# Allegro board PROC048A_BRD.brd (continued)
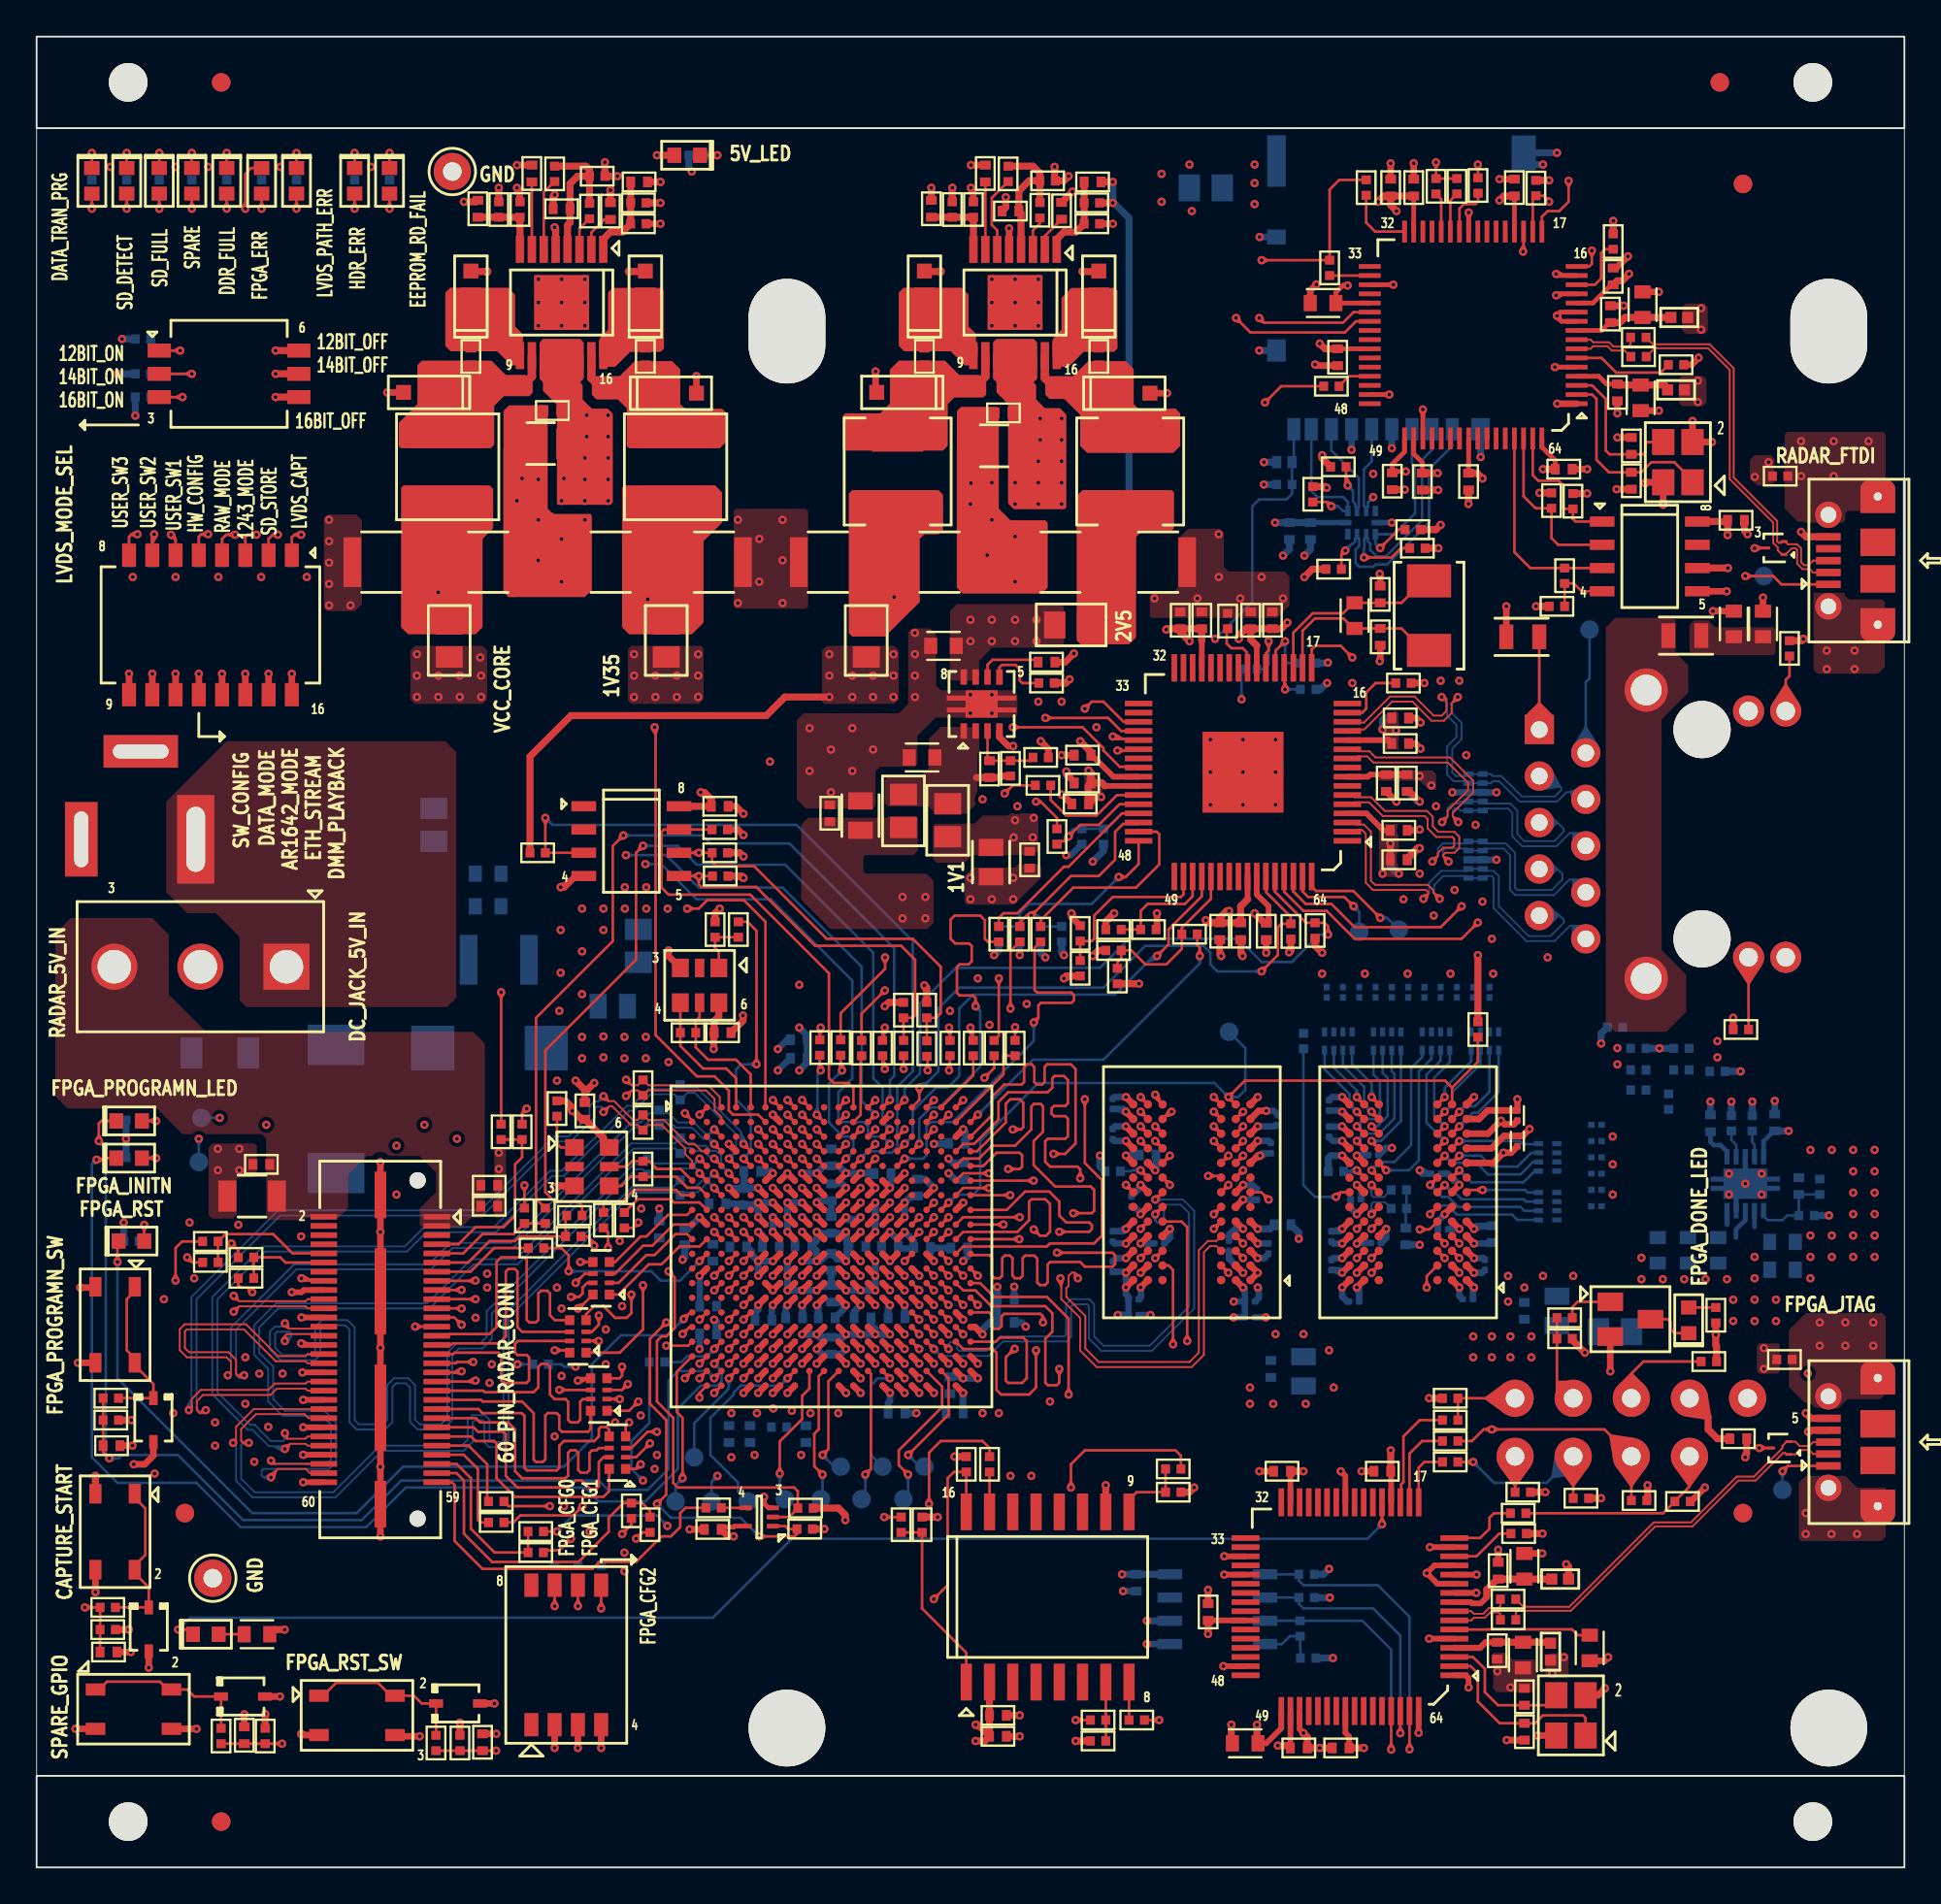
[diagram p0: board, top side]
## Routing (per net, layer and track width the routed paths; a pad name or vN(x,y) marks a point on that pad's centre or on a via; arc(x,y) is an arc through that point)
1V1: length 18.2
  TOP w0.305: U6.8 72.7,59.57 72.82,59.69 C59.1 ; C71.1 67.28,51.72 67.28,52.5 66.64,53.13 66.64,53.26 66.63,53.27 U6.58 ; 58.34,59.07 U6.42 ; 63.63,67.01 63.63,65.52
  TOP w0.381: C45.1 62.45,67.48 v1(62.96,66.98) ; C45.1 C46.1 63.63,67.01 ; C45.1 61.74,67.66 v1(61.69,67.61) ; C59.1 C60.1 ; v1(57.45,59.91) 57.58,59.78 C61.1 ; C61.1 58.19,59.23 58.34,59.07 ; C61.1 57.43,59.08 57.43,58.11 C106.1 57.83,58.47 v1(58.13,58.47) ; v1(66.52,52.12) 67.04,51.6 C71.1
  BOTTOM w0.381: v1(57.45,59.91) 57.58,59.78 C61.1
  vias: v1(53.43,57.2) v1(53.36,56.26) v1(54.4,56.26) v1(54.45,57.32) v1(75.53,59.61) v1(76.17,59.1)
1V35: length 23.5
  TOP w0.356: U12.M15 v1(47.4,32.31) ; v1(51.66,29.11) 51.26,29.51 U12.T20 ; U12.L15 v1(46.6,33.11) U12.L14 ; U12.H14 v1(46.6,36.31) ; U12.P17 v1(49,30.71) ; U12.H15 v1(47.4,36.31) ; U12.L17 v1(49,33.11) ; U12.T18 v1(49.8,29.11) ; U12.J15 v1(47.4,35.51)
  TOP w0.381: R69.1 v1(78.71,49.83)
  L05_PWR1 w0.381: v1(47.4,32.31) v1(46.6,33.11) 47.19,33.7 47.47,33.7 ; v1(46.6,36.31) v1(47.4,36.31)
  BOTTOM w0.254: U19.2 93.81,34.98
  BOTTOM w0.381: v1(49.8,37.91) 50.16,37.56 C143.2 ; R192.1 v1(88.63,44.74) R193.1 ; v1(52.47,31.71) C191.2 C204.1 52.05,29.76 51.66,29.37 v1(51.66,29.11) ; C149.2 47.76,36.67 v1(47.4,36.31) v1(47.4,35.51) ; C177.1 48.84,33.83 C176.2 48.81,33.3 v1(49,33.11) ; R211.1 v1(97.88,35.61)
  vias: v1(32.62,66.26) v1(32.62,65.1) v1(32.62,63.93) v1(33.79,65.1) v1(33.79,63.93) v1(34.96,65.1) v1(34.96,63.93) v1(36.13,66.26) v1(36.13,65.1) v1(36.13,63.93) v1(92.65,31.01) v1(92.65,29.84) v1(93.82,33.35) v1(93.82,32.18) v1(93.82,31.01) v1(93.82,29.84) v1(94.99,31.01) v1(94.99,29.84)
2V5: length 18.5
  TOP w0.305: U6.12 73.82,61.57 ; C65.1 73.54,56.65 72.62,57.57 U6.4
  TOP w0.356: U12.H7 v1(40.2,36.31) ; U12.J6 v1(39.4,35.51) ; U12.H6 v1(39.4,36.31)
  TOP w0.381: v1(56.41,64.89) 56.2,64.69 R43.1 ; U8.6 37.25,46.48 37,46.22 C72.1 36.98,45.57 v1(36.98,44.7) ; 73.82,61.57 C55.1 ; R53.1 37.05,52.12 v1(37.31,52.37) ; v1(73.93,55.93) C67.1
  BOTTOM w0.381: v1(34,35.99) C158.2 ; v1(39.4,36.31) v1(40.2,36.31) ; v1(39.4,36.31) 39.25,36.16 C153.2 38.64,36.23 38.62,36.24 C156.1 ; v1(39.4,36.31) v1(39.4,35.51) ; v1(73.5,62.15) 73.5,62.66 73.63,62.78 C54.1 ; C67.1 73.93,54.66 74.26,54.32 74.34,54.32 v1(74.39,54.28)
  vias: v1(30.96,52.37) v1(30.96,51.2) v1(32.12,53.54) v1(32.12,52.37) v1(33.29,53.54) v1(33.29,52.37) v1(34.46,52.37) v1(51,68.14) v1(51,66.98) v1(52.16,68.14) v1(52.16,66.98) v1(53.43,68.14) v1(53.43,66.98) v1(54.6,68.14) v1(54.6,66.98) v1(73.5,54.28) v1(74.24,62.1)
2V5_A: length 26.2
  TOP w0.381: C6.1 v1(58.77,92.06) ; R11.1 v1(58.77,90.92)
  BOTTOM w0.381: v1(58.77,92.06) v1(58.77,90.92) 58.83,90.92 59.66,90.09 59.66,70.91 58.41,69.67 v1(58.41,68.14)
3V3: length 176.5
  TOP w0.254: C33.1 75.67,76.74 75.2,77.21 U3.50 ; C8.1 U3.31 ; U3.20 C9.1 ; C34.1 78.2,76.7 78.2,76.71 U3.56 ; U13.5 38.12,18.64 38.07,18.59 37.51,18.59 C84.2 ; U3.42 C22.1
  TOP w0.305: U15.50 68.47,6.65 68.47,6.65 C98.1 ; U15.42 C87.1 ; C83.1 73.95,21.52 73.97,21.5 U15.20 ; U6.41 58.81,59.57 57.63,60.75 C56.1 ; U15.56 71.47,7.35 71.67,7.15 C216.1 ; 66.63,66.73 U6.23 ; 66.13,52.87 U6.57 ; U15.31 C82.1
  TOP w0.356: U12.P9 v1(41.8,30.71) ; U12.F12 v1(45,37.91) ; U12.M6 v1(39.4,32.31) ; U12.L6 v1(39.4,33.11) ; U12.F11 v1(44.2,37.91) ; U12.F9 v1(41.8,37.91) ; U12.P10 v1(42.6,30.71) ; U12.L7 v1(40.2,33.11) ; U12.F10 v1(42.6,37.91)
  TOP w0.381: C7.1 73.95,90.79 v1(74.26,90.47) ; C7.1 C8.1 ; C7.1 73.56,91.29 73.25,90.98 v1(73.25,90.98) ; R65.2 56.23,48.69 v1(56.1,48.56) ; R107.1 83.87,28.8 v1(84.55,28.11) ; C87.1 v1(63.98,12.75) ; C69.1 C70.1 65.75,52.5 66.13,52.87 ; C69.1 64.61,51.86 64.99,52.24 v1(65.12,52.24) ; C69.1 63.99,51.6 v1(63.85,51.74) ; C94.1 51.78,6.9 v1(51.28,6.9) ; C94.1 51.4,7.79 v1(51.28,7.79) ; C94.1 C92.1 U14.2 ; R154.1 12.99,12.99 v1(13.54,12.99) ; R40.1 96.39,67 v1(96.49,67.1) ; v1(92.34,72.77) C35.1 92.28,73.51 U4.8 ; v1(70.45,75.36) 70.39,75.42 R29.1 ; R144.1 43.78,19.63 44.16,19.24 v1(44.16,18.97) ; R160.1 v1(12.48,8.37) ; v1(68.4,49.98) 68.5,50.08 R57.1 ; v1(63.21,20.75) 62.96,20.49 R131.1 ; v1(38.6,54.05) 38.5,54.15 R52.1 ; R32.1 76.42,73.07 v1(76.68,73.33) ; R111.1 91.74,28.48 91.7,28.52 v1(91.7,29.09) R103.1 ; v1(69.23,70.48) 69.67,70.91 R34.1 ; C34.1 78.67,76.16 v1(78.96,75.87) ; R145.1 v1(82.24,18.23) ; R158.1 v1(56.74,6.9) ; v1(58.85,52.12) 58.39,51.66 R55.2 ; v1(38.07,18.08) 37.77,18.08 C84.2 ; v1(79.89,91.05) 79.89,91.06 80.12,91.29 C9.1 ; R70.1 v1(92.65,46.41) ; R115.2 v1(76.04,25.62) ; v1(36.26,58.72) 36.46,58.72 36.85,58.34 C62.1 U7.8 ; v1(70.2,77.14) 70.2,76.97 R28.1 ; R67.1 46.53,47.25 v1(46.32,47.04) ; C216.1 v1(72.48,6.52) ; C47.1 66.3,67.06 66.63,66.73 ; C47.1 66.03,67.66 65.65,67.28 v1(65.65,67.1) ; C47.1 67.4,67.66 67.41,67.64 67.47,67.64 C48.1 67.5,67.64 67.96,67.64 v1(68.3,67.99) ; R133.2 v1(85.44,20.16) ; R33.1 v1(76.55,72.06) ; R51.1 38.4,55.42 v1(38.6,55.22) ; R83.1 28.88,41.87 29.26,41.49 v1(29.26,41.32) 29.3,41.32 29.76,40.86 C73.1 30.96,39.85 30.96,39.64 U9.6 ; R125.1 v1(50.13,22.44) ; R147.1 v1(43.02,18.48) ; R153.1 v1(5.03,12.99) ; R64.1 57.98,50.08 v1(57.68,49.78) ; R162.1 v1(23.12,7.9) ; R20.1 v1(86.1,89.94) ; v1(48.48,48.18) 48.61,48.05 R68.1 ; v1(43.29,63.93) 40.86,63.93 39.85,62.91 29.18,62.91 26.94,60.67 R50.1 ; C33.1 v1(76.51,76.16) ; R149.1 v1(49.2,19.14) ; v1(70.07,83.23) 70.36,82.95 C22.1 ; v1(70.2,49.96) 69.82,50.34 R58.1 ; v1(56.99,61.51) 57.58,60.93 C56.1 ; R37.1 v1(81.88,68.88) ; v1(67.79,6.65) 68.34,6.65 C98.1 ; C83.1 v1(73.95,22.78) ; U4.6 v1(92.36,70.97) ; R117.1 v1(5.17,24.43) ; C82.1 v1(69.18,21.64) ; TP4.1 91.28,24.61 91.28,23.92 91.79,23.41 C80.2 ; v1(87.98,20.87) 87.98,20.09 R134.2 ; v1(83.53,16.56) 83.66,16.43 FB3.1 ; R31.1 v1(84.68,75.04) ; R132.1 v1(82.39,20.49) ; R7.1 v1(82.6,92.15) ; R30.1 v1(82.07,75.08)
  L06_PWR2 w0.889: 90.26,24.3 TP4.1 ; TP4.1 90.26,26.95 ; TP4.1 91.59,25.62 ; TP4.1 88.94,25.62
  BOTTOM w0.254: C131.1 94.87,40.23 94.31,39.67 U19.10
  BOTTOM w0.305: U16.10 C101.1
  BOTTOM w0.381: v1(41.8,30.71) 41.83,30.69 C202.2 ; v1(70.58,16.3) 70.28,16.01 R218.1 ; U20.8 C215.1 v1(59.28,16.01) ; R202.1 v1(92.55,41.83) ; R189.2 52.55,50.08 v1(52.29,49.83) ; C147.1 45.72,37.91 v1(45,37.91) v1(44.2,37.91) 43.79,38.32 C142.2 43.01,38.32 v1(42.6,37.91) v1(41.8,37.91) ; R186.2 55.97,49.96 v1(56.1,49.83) ; v1(42.6,30.71) 42.69,30.63 C201.1 ; R223.2 v1(4.67,83.49) ; v1(35.27,33.19) 35.4,33.32 C166.2 ; v1(57.68,54.94) 58.26,55.52 R184.1 ; U20.6 v1(60.63,13.47) ; v1(41.65,45.87) 42.08,45.43 C125.2 C127.2 42.08,43.97 v1(41.65,43.53) ; R221.1 v1(70.79,11.44) ; J5.4 v1(74.01,77.52) ; v1(70.47,64.69) 70.45,64.69 70.11,64.34 R183.1 ; v1(39.4,33.11) v1(40.2,33.11) ; v1(39.4,33.11) v1(39.4,32.31) ; v1(39.4,33.11) 39.04,33.48 39.04,33.64 C175.1 ; R93.1 v1(4.75,35.23) ; R222.2 v1(4.41,81.58) ; v1(70.51,65.81) 70.49,65.78 R181.1 ; v1(37,29.91) 37.13,29.79 C205.1 ; R219.1 v1(70.62,14.74) ; R201.1 v1(93.69,41.83) ; v1(5.39,79.29) R224.2 ; v1(56.99,61.51) 57.58,60.93 C56.1 ; C101.1 C102.1 v1(67.63,73.45) ; R89.1 v1(4.88,39.8) R87.1 ; R172.1 v1(67.02,75.54) ; C131.1 v1(95.68,40.23)
  vias: v1(4.03,92.88) v1(5.25,70.48) v1(7.59,92.88) v1(7.59,70.48) v1(9.37,92.88) v1(9.92,70.48) v1(12.26,70.48) v1(13.3,92.88) v1(14.75,70.48) v1(18.26,92.88) v1(32.1,17.19) v1(32.1,16.18) v1(43.29,66.26) v1(43.29,65.1) v1(44.54,65.1) v1(44.54,63.93) v1(45.68,65.1) v1(45.68,63.93) v1(46.8,66.26) v1(46.8,65.1) v1(46.8,63.93) v1(82.77,10.59) v1(83.41,11.48) v1(90.72,81.21) v1(90.72,80.04) v1(90.9,85.16) v1(90.9,83.99)
3V3_A: length 26.6
  TOP w0.381: C11.1 v1(48.86,91.74) ; R14.1 v1(50.01,91.74)
  L05_PWR1 w0.381: v1(48.86,91.74) 47.47,91.74 46.83,91.11 v1(46.83,69.39)
  L08_SIG2 w0.381: v1(50.01,91.74) v1(48.86,91.74)
5V: length 14.2
  TOP w0.381: LD10.2 v1(33.88,93.52) ; v1(32.35,87.17) 33.22,87.17 D2.2 ; D1.2 23.74,87.17 24.48,87.17 24.48,87.17 v1(24.61,87.17) ; v1(55.59,92.88) 55.59,92.16 R2.2 56.1,92.12 v1(56.36,92.38) ; v1(49.37,87.17) 49.24,87.17 49.24,87.17 48.51,87.17 D3.2 ; v1(31.72,92.38) R1.2 v1(31.03,93.14) ; D4.2 57.98,87.17 57.12,87.17 v1(57.12,87.17)
  TOP w0.457: 52.8,81.07 52.46,81.41 U2.11 ; 28.03,81.07 27.69,81.41 U1.11 ; 29.3,81.07 29.64,81.41 U1.14 ; U2.14 54.41,81.41 54.07,81.07
  vias: v1(28.67,74.65) v1(28.8,75.87) v1(29.94,76.98) v1(29.94,75.82) v1(29.94,74.65) v1(30.04,79.32) v1(30.04,78.15) v1(31.21,79.32) v1(31.21,78.15) v1(31.21,76.98) v1(31.21,75.82) v1(31.21,74.65) v1(53.43,75.64) v1(53.43,74.47) v1(54.7,76.81) v1(54.7,75.64) v1(54.7,74.47) v1(54.81,79.14) v1(54.81,77.97) v1(55.97,79.14) v1(55.97,77.97) v1(55.97,76.81) v1(55.97,75.64) v1(55.97,74.47)
GND: length 355.7
  TOP w0.152: v1(93.82,72.06) 93.84,72.07 D9.3 ; D11.3 v1(94.07,22.91)
  TOP w0.254: U3.11 83.22,84.95 v1(83.03,84.76) 83.03,84.7 83.28,84.45 U3.10 ; v1(82.98,87.04) 83.07,86.95 U3.15 ; U3.25 v1(78.2,90.39) ; U3.5 v1(82.91,81.95) ; U3.13 83.06,85.95 v1(82.98,85.87) ; U3.51 v1(75.7,79.63) ; v1(39.72,20.24) 39.72,19.89 39.97,19.64 U13.3 ; U3.47 v1(73.87,80.45) ; U3.35 v1(74.09,86.45)
  TOP w0.305: J3.18 14.59,31.54 14.47,31.42 v1(13.94,31.42) ; J3.60 v1(14.55,21.04) ; J3.42 v1(14.55,25.54) ; J3.36 v1(14.51,27.04) ; v1(69.18,7.34) 68.97,7.55 U15.51 ; U15.25 71.47,21.38 v1(71.22,21.64) ; U15.35 v1(64.85,16.99) ; J3.30 14.53,28.54 v1(14.45,28.62) ; U15.15 v1(76.09,17.49) ; J3.48 v1(14.55,24.04) ; U15.5 v1(76.04,12.49) ; U15.10 v1(78.62,14.99) ; J3.54 v1(14.55,22.54) ; J3.24 v1(14.46,30.04) ; U15.13 76.33,16.49 v1(75.91,16.07) 76.5,15.49 U15.11 ; v1(78.2,9.83) 78.2,10.33 78.04,10.49 U15.1 ; U15.47 v1(64.81,10.99)
  TOP w0.356: v1(20.92,7.16) 19.64,7.16 SW7.4 ; C69.2 64.61,49.86 v1(64.69,49.78) ; U12.V12 v1(45,27.51) ; U12.G14 v1(46.6,37.11) U12.F14 ; D5.2 v1(19.14,80.56) ; C86.2 v1(79.82,17.35) ; U11.N9 v1(71.3,42.08) ; v1(10.13,65.2) SW2.13 ; R18.2 v1(34.07,89.78) ; C59.2 73.71,58.77 v1(74.26,58.21) ; U11.N1 v1(78.5,42.08) ; U12.J7 v1(40.2,35.51) ; U12.J2 v1(36.2,35.51) ; D8.2 v1(61.73,80.52) ; U12.L12 v1(45,33.11) ; U10.L9 v1(59.49,40.48) ; U10.A8 v1(60.29,31.68) ; U10.N1 v1(66.69,42.08) ; D10.2 6.38,22.49 5.9,22.02 v1(5.3,22.02) ; U12.L11 v1(44.2,33.11) ; v1(75.58,61.11) 75.3,61.39 C55.2 ; U3.1 v1(83.04,79.95) ; U12.G15 v1(47.4,37.11) ; U12.V13 v1(45.8,27.51) ; U11.D1 v1(78.5,34.08) ; C22.2 69.88,82.03 v1(69.82,82.09) ; D7.2 36.03,81.45 v1(36.04,81.45) ; U12.F13 v1(45.8,37.11) U12.G13 ; U12.P13 v1(45.8,30.71) ; v1(13.94,65.2) SW2.16 ; C3.2 v1(51.02,92.98) ; U12.R19 v1(50.6,29.91) ; U12.J12 v1(45,35.51) ; D13.2 v1(13.29,9.34) ; Q1.2 v1(85.94,27.1) ; U12.G17 v1(49,37.11) ; U12.P11 v1(44.2,30.71) ; U12.V5 v1(38.6,27.51) ; C83.2 v1(72.36,21.64) ; U11.B8 v1(72.1,32.48) ; C29.2 v1(86.33,78.1) ; U12.V14 v1(46.6,27.51) ; R59.1 56.51,51.92 v1(56.51,52.12) ; U12.K7 v1(40.2,34.71) ; R46.2 55.25,61.09 v1(54.83,61.51) ; v1(5.05,65.2) SW2.9 ; U10.L1 v1(66.69,40.48) ; v1(86.9,88) 86.27,87.36 C14.2 ; U12.K10 v1(42.6,34.71) ; R19.2 v1(58.77,89.78) ; U12.P7 v1(40.2,30.71) ; U11.F2 v1(76.9,35.68) ; v1(61.18,52.12) 61.18,51.27 R56.1 ; U4.5 v1(92.3,69.7) ; U11.D9 v1(71.3,34.08) ; R15.2 51.15,90.99 51.15,91.61 v1(51.02,91.74) ; U11.J1 79.55,38.48 v1(80.11,39.04) 80.51,39.04 C75.1 ; v1(18.77,38.52) J3.61 v1(18.77,34.71) J3.62 v1(18.77,28.38) J3.63 v1(18.77,21.88) J3.64 v1(18.77,18.07) ; U11.D8 v1(72.1,34.08) ; C1.2 v1(26.23,92.98) ; U10.N9 v1(59.49,42.08) ; v1(81.97,7.2) 82.1,7.2 82.1,7.2 Y3.4 ; U7.4 29.43,54.15 28.82,53.54 v1(28.62,53.54) ; C49.1 v1(91.54,68.62) ; U12.W19 v1(50.6,26.71) ; U12.W6 v1(39.4,26.71) ; C50.1 v1(94.28,69.36) ; C74.1 80.67,40.59 80.17,40.59 v1(79.97,40.79) 79.26,40.08 U11.L1 ; C96.1 v1(25.1,7.3) ; R13.2 26.38,90.99 26.38,91.59 v1(26.23,91.74) ; C30.2 v1(84.68,76.37) ; U12.N6 v1(40.2,31.51) U12.N7 ; U10.D9 v1(59.49,34.08) ; U12.B14 v1(46.6,41.11) ; v1(75.58,62.53) 75.33,62.78 C54.2 ; U10.B8 v1(60.29,32.48) ; U12.M14 v1(46.6,32.31) ; SW6.3 v1(2.13,7.57) ; v1(90.76,82.46) 90.38,82.08 R25.1 ; C89.1 v1(5.14,11.76) ; U12.V6 v1(39.4,27.51) ; U12.W16 v1(48.2,26.71) ; SW4.4 v1(2.25,27.56) ; R135.2 90.34,19.99 v1(91.1,20.75) ; U12.F8 v1(41,37.91) U12.F7 ; v1(12.67,65.2) SW2.15 ; C35.2 93.26,72.99 v1(93.44,72.82) ; U12.N14 v1(46.6,31.51) ; v1(73.35,70.66) 73.37,70.63 C44.2 ; U12.Y14 v1(46.6,25.91) ; U12.U7 v1(40.2,28.31) ; C65.2 75.49,56.65 v1(75.53,56.69) ; C85.2 v1(82.22,17.15) ; C87.2 v1(63.98,15.16) ; C24.2 v1(88.59,79.57) ; U12.L9 v1(41.8,33.11) ; C92.2 v1(53.69,8.3) ; C9.2 v1(79.89,92.21) ; U12.M9 v1(41.8,32.31) ; v1(11.4,65.2) SW2.14 ; v1(85.82,11.48) 85.63,11.28 R155.2 ; U12.B7 v1(40.2,41.11) ; U11.A8 v1(72.1,31.68) ; v1(53.33,61.25) 53.07,61.25 52.58,61.73 U5.4 ; U12.G12 v1(45,37.11) ; U12.V8 v1(41,27.51) ; C7.2 v1(73.95,93.07) ; U10.A1 66.69,32.48 ; 66.69,32.48 U10.B1 ; 66.69,32.48 v1(66.69,32.48) ; U12.V16 v1(48.2,27.51) ; C61.2 56.66,59.31 56.23,59.74 v1(56.23,59.86) ; U12.G7 v1(40.2,37.11) ; U12.P8 v1(41,30.71) ; U12.Y8 v1(41,25.91) ; C53.2 56.18,65.83 v1(56.65,66.3) ; U12.Y19 v1(50.6,25.91) ; U12.M16 v1(48.2,32.31) ; v1(93.31,22.4) 93.31,22.53 93.39,22.6 C80.1 ; v1(91.49,77.85) Y1.2 v1(90.43,79) ; C17.2 v1(86.67,85.3) ; U12.M11 v1(44.2,32.31) ; U12.V15 v1(47.4,27.51) ; U12.Y6 v1(39.4,25.91) ; U10.D1 v1(66.69,34.08) ; R44.2 v1(75.79,64.69) ; U12.Y7 v1(40.2,25.91) ; U12.U10 v1(42.6,28.31) ; U12.V7 v1(40.2,27.51) ; U12.K12 v1(45,34.71) ; C71.2 v1(67.15,49.96) ; C70.2 65.75,49.88 v1(65.86,49.78) ; SW5.4 v1(3.21,15.03) ; U12.Y15 v1(47.4,25.91) ; SW6.4 v1(8.73,7.57) ; U11.B2 v1(77.7,32.48) ; D14.2 v1(25,8.95) ; v1(85.65,9.78) 85.27,9.4 Y3.2 ; U11.J9 v1(71.3,38.88) ; U10.F2 v1(65.89,36.48) ; SW4.3 3.17,31.67 v1(2.38,31.67) ; U12.G4 v1(37.8,37.11) ; U12.L10 v1(42.6,33.11) ; U12.G6 v1(39.4,37.11) ; U12.K9 v1(41.8,34.71) ; U12.G11 v1(44.2,37.11) ; U12.U13 v1(45.8,28.31) ; U10.C9 v1(59.49,33.28) ; U12.Y17 v1(49,25.91) ; v1(75.53,58.21) 74.98,58.77 C60.2 ; v1(45.81,81.71) 45.81,80.63 D6.2 ; U12.V20 v1(51.4,27.51) ; C94.2 v1(53.69,7.16) ; U12.J14 v1(46.6,35.51) ; U12.U11 v1(44.2,28.31) ; U12.J10 v1(42.6,35.51) ; C82.2 v1(66.77,21.64) ; U12.M12 v1(45,32.31) ; C51.2 73.37,65.91 v1(73.35,65.88) ; U12.V19 v1(50.6,27.51) ; U12.G9 v1(41.8,37.11) ; U12.Y12 v1(45,25.91) ; C8.2 v1(75.2,93.09) ; U12.M10 v1(42.6,32.31) ; U12.H19 v1(50.6,36.31) ; U12.N15 v1(47.4,31.51) ; U12.M2 v1(36.2,32.31) ; v1(87.83,75.61) 87.85,75.61 87.89,75.65 Y1.4 v1(88.83,74.43) ; U12.W7 v1(40.2,26.71) ; v1(38.6,56.38) 38.3,56.69 R49.2 ; v1(14.45,7.29) 14.5,7.23 SW7.3 ; U10.D8 v1(60.29,34.08) ; U10.J1 66.69,38.88 v1(66.81,38.88) ; U12.W15 v1(47.4,26.71) ; U8.3 34.51,49.77 v1(34.51,50.08) ; U12.W12 v1(45,26.71) ; U12.U14 v1(46.6,28.31) ; U12.U9 v1(41.8,28.31) ; R42.1 v1(80.26,68.88) ; U10.F8 v1(60.29,35.68) ; U11.C9 v1(71.3,33.28) ; U12.G10 v1(42.6,37.11) ; U12.J9 v1(41.8,35.51) ; C84.1 v1(35.65,18.46) ; U12.W20 v1(51.4,26.71) ; U12.P14 v1(46.6,30.71) ; U10.B2 v1(65.89,32.48) ; S1.3 v1(29.56,6.52) ; U12.K11 v1(44.2,34.71) ; U12.U12 v1(45,28.31) ; U2.5 v1(53.11,89.53) ; C31.2 v1(86.28,75.28) ; U12.V9 v1(41.8,27.51) ; U12.J11 v1(44.2,35.51) ; C95.1 v1(11.34,8.36) ; C62.2 38.19,57.96 v1(38.6,57.55) ; U10.J9 v1(59.49,38.88) ; v1(6.32,65.2) SW2.10 ; U12.K15 v1(47.4,34.71) ; C81.1 v1(5.23,23.03) ; D12.2 v1(6.12,10.91) ; U12.U8 v1(41,28.31) ; U12.M7 v1(40.2,32.31) ; v1(8.86,65.2) SW2.12 ; U12.K6 v1(39.4,34.71) ; U12.G8 v1(41,37.11) ; C56.2 v1(55.97,60.75) ; U12.P12 v1(45,30.71) ; v1(69.89,86.46) 69.55,86.13 C15.2 ; S1.4 v1(30.83,6.52) ; U12.K14 v1(46.6,34.71) ; U11.L9 v1(71.3,40.48) ; U11.A1 v1(78.5,31.68) ; S1.2 v1(28.29,6.52) ; C23.2 v1(86.33,79.42) ; U12.C19 v1(50.6,40.31) ; C16.2 v1(88.59,86.06) ; U12.Y16 v1(48.2,25.91) ; U12.Y11 v1(44.2,25.91) ; U11.B1 v1(78.5,32.48) ; C93.2 v1(80.28,6.95) ; U12.Y5 v1(38.6,25.91) ; U12.D4 v1(37.8,39.51) ; U11.F8 v1(72.1,35.68) ; v1(7.59,65.2) SW2.11
  TOP w0.381: SW1.4 v1(13.05,80.31) ; v1(30.45,42.85) 30.07,42.46 29.94,42.46 ; C106.2 56.02,58.6 v1(55.97,58.6) ; v1(78.19,74.48) 78.2,74.48 C34.2 ; v1(38.58,46.53) 38.58,46.25 C72.2 ; v1(96.74,23.8) 96.83,23.88 J4.4 ; SW1.6 v1(13.05,82.85) ; C97.2 65.25,6.84 v1(65.25,7.79) ; U9.3 28.51,37.22 28.42,37.13 v1(28.29,37.13) ; U1.5 28.34,89.53 v1(28.29,89.58) ; C216.2 v1(70.07,6.52) C98.2 69.39,7.13 v1(69.18,7.34) ; J1.5 96.63,72.68 v1(96.36,72.94) ; C12.2 v1(31.34,91.61) ; 29.94,42.46 v1(29.43,42.97) ; 29.94,42.46 C73.2 ; v1(56.56,91.53) C13.2 ; v1(28.29,91.36) 28.21,91.28 C2.2 ; SW5.3 v1(3.21,21.38) ; v1(52.93,91.23) 52.93,90.68 C4.2 ; U14.10 v1(58.39,20.87) ; v1(96.61,24.81) 96.9,24.53 J4.5 ; C32.2 v1(74.71,75.26) ; SW1.5 v1(13.05,81.58) ; C33.2 v1(76.54,75.24) ; C67.2 74.85,55.12 75.41,55.67 v1(75.53,55.67) ; R66.1 v1(60.2,48.27)
  L02_GND1 w0.381: 24.48,30.4 24.35,30.4 v1(23.97,30.02)
  BOTTOM w0.279: U19.4 92.81,36.84 v1(93.31,37.34) ; U19.8 v1(93.31,37.34) ; v1(93.31,37.34) 93.31,36.92
  BOTTOM w0.305: U16.5 v1(74.01,73.45)
  BOTTOM w0.356: v1(46.6,25.91) 46.6,25.47 46.5,25.37 C209.1 ; C188.1 43.45,30.83 44.09,30.83 v1(44.2,30.71) 44.06,30.58 44.06,30.49 44.03,30.46 44.03,30.45 C201.2 ; v1(78.5,34.08) 79.42,34.08 C162.1 ; C166.1 35.61,34.92 v1(36.2,35.51) ; v1(44.2,37.11) 43.98,37.34 C151.1 ; C191.1 v1(53.39,31.72) ; C146.1 75.66,37.89 75.53,38.02 v1(75.53,38.08) ; C170.1 65.12,33.24 v1(65.89,32.48) ; C143.1 50.04,38.48 v1(49.8,38.71) ; v1(79.72,58.72) U17.3 U17.8 v1(77.31,58.72) ; C189.2 78.44,31.62 v1(78.5,31.68) ; R185.1 56.48,55.29 v1(56.23,55.29) ; v1(45,30.71) 44.77,30.49 44.77,30.48 44.64,30.35 C200.1 ; C185.1 70.8,33.28 v1(71.3,33.28) ; C130.2 67.66,40.53 67.6,40.48 v1(66.69,40.48) ; J5.6 v1(71.81,77.43) ; C165.2 58.88,34.08 v1(59.49,34.08) ; v1(60.29,35.68) 60.29,35.76 59.96,36.09 C155.2 ; C129.2 70.76,42.08 v1(71.3,42.08) ; C178.2 66.69,34.08 v1(66.69,34.08) ; C169.1 60.83,34.08 60.82,34.08 v1(60.29,34.08) ; v1(72.1,34.08) 72.13,34.11 C168.1 ; C154.2 71.76,36.01 v1(72.1,35.68) ; v1(59.49,40.48) 58.88,40.48 58.77,40.37 C135.2 ; v1(36.2,32.31) 36.21,32.31 C194.1 ; v1(42.6,33.11) 42.59,33.12 42.59,33.7 C171.1 42.59,34.21 42.59,34.7 v1(42.6,34.71) 42.68,34.64 C160.2 44.13,34.64 v1(44.2,34.71) 44.24,34.68 44.24,34.04 C173.1 44.24,33.79 44.24,33.15 v1(44.2,33.11) 44.1,33.22 43.71,33.22 C183.2 43.22,33.53 42.8,33.11 v1(42.6,33.11) ; v1(42.6,33.11) v1(41.8,33.11) ; v1(50.6,33.11) 50.85,33.36 C177.2 ; C205.2 36.2,29.12 v1(36.2,28.31) ; U18.8 U18.3 v1(79.72,55.04) ; v1(54.02,29.54) 53.79,29.76 C204.2 ; v1(41,30.71) 40.91,30.62 C202.1 ; v1(47.4,34.71) 47.89,34.22 C176.1 47.84,33.8 47.18,33.8 47.07,33.91 C172.2 47.06,34.25 46.83,34.48 46.83,34.49 v1(46.6,34.71) ; v1(44.2,35.51) 44.35,35.37 44.85,35.37 v1(45,35.51) ; v1(75.53,58.21) 75.4,58.21 C60.2 ; v1(59.49,42.08) 58.86,42.08 C128.1 ; v1(72.1,31.68) 72.22,31.55 C192.1 ; v1(56.23,59.86) 56.23,59.66 C61.2 ; C203.2 40.15,30.67 v1(40.2,30.71) ; U20.5 v1(60.63,12.2) ; C131.2 v1(94.92,41.87) ; C193.2 66.75,31.11 66.75,31.62 v1(66.69,31.68) ; C137.1 50.72,40.2 v1(50.6,40.31) ; C197.2 v1(60.83,30.17) ; C134.1 71.28,40.46 v1(71.3,40.48) ; C132.1 v1(91.41,41.83) ; C198.2 v1(67.13,30.04) ; v1(44.2,28.31) 43.92,28.03 C206.1 42.88,28.03 v1(42.6,28.31) ; v1(40.48,43.53) 41.14,44.19 C127.1 ; v1(60.29,31.68) 60.31,31.65 60.31,31.15 C190.2 ; C215.2 v1(59.33,15.09) ; v1(59.49,33.28) 58.95,33.28 C186.2 ; C138.1 66.95,39.01 v1(66.81,38.88) ; C54.2 75.33,62.78 v1(75.58,62.53) ; v1(46.6,37.11) 46.66,37.17 C147.2 ; v1(65.89,36.48) 65.9,36.47 C152.2 ; v1(40.48,44.7) 40.99,45.21 C125.1 ; v1(46.6,30.71) 46.5,30.61 C199.2 ; C184.1 78.93,32.48 v1(78.5,32.48) ; C161.1 76.52,35.3 v1(76.9,35.68) ; v1(59.49,38.88) 59.52,38.91 C140.1 ; v1(74.01,39.3) 73.69,39.3 73.3,38.91 C139.2 ; C111.2 v1(67.15,49.96) ; J5.12 v1(66.79,89.05) ; C56.2 v1(55.97,60.75) ; v1(71.3,34.08) 70.81,34.08 C164.1
  BOTTOM w0.381: C149.1 48.52,37.59 v1(49,37.11) ; C159.2 68.93,34.67 v1(68.93,34.34) ; C144.2 38.64,38 C153.1 ; v1(39.4,34.71) 39.64,34.48 C174.2 ; R196.2 v1(93.06,43.48) ; R188.1 v1(53.69,49.83) ; R205.2 70.54,38.74 70.68,38.88 v1(71.3,38.88) ; C214.1 50.59,25.91 v1(50.6,25.91) ; v1(58.06,38.88) 58.06,38.28 58.32,38.03 58.34,38.03 R206.2 ; v1(35.78,92.63) 35.62,92.8 R21.2 ; v1(51.4,26.71) v1(50.6,26.71) 50.47,26.71 50.39,26.8 C213.2 ; C153.1 37.83,37.08 v1(37.8,37.11) ; C153.1 38.67,37.11 v1(39.4,37.11) ; C163.2 v1(75.53,34) ; C102.2 68.42,72.01 v1(68.07,71.65) ; v1(69.23,71.65) 69.56,71.98 C101.2 ; R187.1 54.83,49.96 v1(55.09,49.7) ; v1(40.2,34.71) v1(40.2,35.51) ; v1(85.44,45) 85.44,45.55 R190.2 ; C67.2 75.48,55.67 v1(75.53,55.67) ; D15.2 v1(67.02,76.75)
  vias: v1(6.44,21.51) v1(6.95,31.03) v1(7.46,24.81) v1(8.35,35.23) v1(8.6,32.18) v1(9.75,24.3) v1(9.75,23.03) v1(9.9,39.25) v1(9.9,38.08) v1(11.02,35.1) v1(11.07,39.25) v1(11.07,38.08) v1(11.4,27.86) v1(11.4,25.32) v1(11.89,22.16) v1(12.16,26.97) v1(12.54,40.56) v1(12.65,24.06) v1(13.43,26.97) v1(14.45,34.46) v1(15.97,73.61) v1(15.97,72.44) v1(15.97,71.27) v1(15.97,70.1) v1(15.97,68.93) v1(17.14,68.93) v1(19.65,39.42) v1(19.65,36.75) v1(21.18,40.56) v1(22.95,39.8) v1(24.61,32.43) v1(24.61,31.67) v1(24.73,26.46) v1(24.86,27.48) v1(25.24,39.04) v1(25.24,38.15) v1(26.23,74.65) v1(26.51,75.87) v1(27.4,86.75) v1(27.4,85.48) v1(27.4,84.21) v1(27.4,75.82) v1(27.4,73.61) v1(27.4,71.4) v1(28.42,42.97) v1(28.42,31.67) v1(28.54,46.78) v1(28.62,51.2) v1(28.62,48.87) v1(28.67,86.75) v1(28.67,85.48) v1(28.67,84.21) v1(28.67,72.56) v1(28.67,70.23) v1(28.67,30.53) v1(28.67,26.84) v1(28.8,19.73) v1(29.79,52.37) v1(29.79,50.03) v1(29.79,47.7) v1(29.79,45.36) v1(29.79,44.19) v1(29.94,86.75) v1(29.94,85.48) v1(29.94,84.21) v1(29.94,73.61) v1(30.19,18.33) v1(31.08,29.38) v1(31.08,27.48) v1(31.59,24.3) v1(31.84,34.21) v1(31.97,30.65) v1(33.02,35.99) v1(32.99,24.68) v1(33.75,21.76) v1(33.88,22.53) v1(37.94,22.4) v1(38.3,73.61) v1(38.3,69.06) v1(39.21,22.53) v1(39.46,72.56) v1(39.46,70.23) v1(40.73,73.61) v1(40.73,71.4) v1(40.73,69.06) v1(41.65,48.21) v1(41.75,22.53) v1(42.21,62.23) v1(42.21,59.89) v1(43.38,61.06) v1(43.38,58.72) v1(44.54,62.23) v1(44.54,59.89) v1(45.68,61.06) v1(47.97,67.43) v1(47.97,66.26) v1(47.97,65.1) v1(47.97,63.93) v1(49.88,46.78) v1(51.02,75.61) v1(51,74.47) v1(51,64.05) v1(51,63.04) v1(51,54.05) v1(51,52.88) v1(51.4,48.56) v1(51.66,58.34) v1(51.91,71.67) v1(52.04,46.02) v1(52.16,86.75) v1(52.16,85.48) v1(52.16,84.21) v1(52.16,75.64) v1(52.16,73.61) v1(52.16,64.05) v1(52.16,63.04) v1(52.16,52.88) v1(53.18,21.38) v1(53.33,54.05) v1(53.33,52.88) v1(53.43,86.75) v1(53.43,85.48) v1(53.43,84.21) v1(53.43,72.69) v1(53.43,70.23) v1(53.56,57.96) v1(54.07,47.16) v1(54.32,21.38) v1(54.7,86.75) v1(54.7,85.48) v1(54.7,84.21) v1(54.7,63.67) v1(55.34,25.45) v1(55.97,63.67) v1(57.88,62.28) v1(61.05,69.31) v1(61.44,92.5) v1(61.44,90.98) v1(62.96,93.01) v1(63.09,90.47) v1(63.39,69.31) v1(64.1,61.6) v1(64.1,59.82) v1(64.1,58.04) v1(64.56,72.82) v1(64.56,70.48) v1(65.73,69.31) v1(65.88,61.6) v1(65.88,59.82) v1(65.88,58.04) v1(66.26,26.21) v1(66.26,25.32) v1(66.9,70.48) v1(67.53,25.32) v1(67.66,61.6) v1(67.66,59.82) v1(67.66,58.04) v1(68.07,69.31) v1(69.31,25.32) v1(70.2,48.81) v1(70.83,26.21) v1(71.85,64.69) v1(72.54,48.81) v1(72.99,76.12) v1(74.64,52.88) v1(74.87,48.81) v1(75.53,54.28) v1(76.29,51.99) v1(76.42,57.96) v1(76.68,64.82) v1(77.21,48.81) v1(77.44,53.39) v1(77.69,64.82) v1(78.07,60.75) v1(78.58,56.94) v1(78.96,52.75) v1(79.47,50.72) v1(79.55,48.81) v1(79.77,10.71) v1(80.36,32.3) v1(80.36,30.91) v1(80.49,9.83) v1(81.25,31.67) v1(82.26,32.3) v1(82.52,49.7) v1(83.91,32.3) v1(86.07,39.92) v1(86.07,38.4) v1(86.07,36.75) v1(87.64,33.3) v1(87.64,32.13) v1(88.81,32.13) v1(89.98,32.13) v1(91.14,32.13) v1(92.31,32.13) v1(92.42,37.89) v1(92.42,36.75) v1(93.83,75.95) v1(94.2,37.89) v1(94.2,36.75) v1(94.33,28.37) v1(94.33,27.22) v1(94.58,76.75) v1(96.73,26.98) v1(96.87,39.19) v1(96.87,34.51) v1(96.87,33.35) v1(96.87,32.18) v1(98.04,39.19) v1(98.04,34.51) v1(98.04,33.35) v1(99.21,39.19) v1(99.21,38.02) v1(99.21,36.85) v1(99.21,35.68) v1(99.21,34.51) v1(99.21,33.35) v1(100.37,39.19) v1(100.37,38.02) v1(100.37,36.85) v1(100.37,35.68) v1(100.37,34.51) v1(100.37,33.35)
GND_SDCD: length 5.8
  BOTTOM w0.381: v1(83.03,93.65) J5.14 81.21,93.39 81.59,93.01 v1(82.26,93.01) ; J5.10 v1(78.86,77.03) ; J5.11 v1(66.77,82.85)
  vias: v1(66.52,93.01) v1(66.52,91.99) v1(66.52,90.85)
VCC_1V1: length 25.7
  TOP w0.381: v1(23.34,90.98) 24.02,90.98 C10.1 ; R12.1 v1(25.24,91.74)
  L08_SIG2 w0.381: v1(25.24,91.74) 24.48,90.98 v1(23.34,90.98) 21.94,89.58 v1(21.94,69.64)
VCC_AUX: length 8.9
  TOP w0.356: U12.V11 v1(44.2,27.51) ; U12.V18 v1(49.8,27.51) ; U12.P15 v1(47.4,30.71) ; U12.P6 v1(39.4,30.71) ; U12.F6 v1(40.2,37.91) ; U12.F15 v1(47.4,37.91) ; U12.V10 v1(42.6,27.51) ; U12.V17 v1(49,27.51)
  L08_SIG2 w0.381: v1(49.8,27.51) 49.8,26.86 ; v1(49,27.51) 49,26.86
  BOTTOM w0.381: C199.1 47.4,30.04 v1(47.4,30.71) ; v1(40.2,37.91) 40.1,38.02 C144.1 ; v1(39.4,30.71) 39.4,30.47 39.23,30.31 C203.1 ; C137.2 49.77,39.51 v1(49,39.51)
  vias: v1(30.96,45.39) v1(30.96,44.24) v1(32.1,45.36) v1(32.1,44.19) v1(33.27,45.36) v1(33.27,44.19) v1(34.51,43.99)
VCC_CORE: length 26
  TOP w0.356: U12.H12 v1(45,36.31) ; U12.H9 v1(41.8,36.31) ; U12.N8 v1(41,31.51) ; U12.N9 v1(41.8,31.51) ; U12.M8 v1(41,32.31) ; U12.H10 v1(42.6,36.31) ; U12.H8 v1(41,36.31) ; U12.H11 v1(44.2,36.31) ; U12.N11 v1(44.2,31.51) ; U12.N13 v1(45.8,31.51) ; U12.J8 v1(41,35.51) ; U12.K8 v1(41,34.71) ; U12.H13 v1(45.8,36.31) ; U12.N12 v1(45,31.51) ; U12.L13 v1(45.8,33.11) ; U12.K13 v1(45.8,34.71) ; U12.N10 v1(42.6,31.51) ; U12.J13 v1(45.8,35.51) ; U12.M13 v1(45.8,32.31) ; U12.L8 v1(41,33.11)
  BOTTOM w0.381: v1(41,33.11) v1(41,32.31) v1(41,31.51) v1(41.8,31.51) v1(42.6,31.51) 42.84,31.75 43.35,31.75 C188.2 ; v1(42.6,36.31) 42.71,36.42 C151.2 C160.1 ; v1(41.8,36.31) v1(41,36.31) v1(41,35.51) v1(41,34.71) ; C188.2 C183.1 ; C188.2 43.45,31.75 43.97,31.75 v1(44.2,31.51) v1(45,31.51) v1(45.8,31.51) v1(45.8,32.31) v1(45.8,33.11) ; v1(45.8,34.71) v1(45.8,35.51) v1(45.8,36.31)
  vias: v1(20.77,66.26) v1(20.77,65.1) v1(20.77,63.93) v1(21.94,65.1) v1(21.94,63.93) v1(23.11,65.1) v1(23.11,63.93) v1(24.22,66.09) v1(24.28,65.1) v1(24.28,63.93)
VCCHTX: length 2.9
  TOP w0.356: U12.U6 v1(39.4,28.31) ; U12.T6 v1(39.4,29.11) ; U12.T15 v1(47.4,29.11) ; U12.U15 v1(47.4,28.31)
  BOTTOM w0.381: C209.2 v1(48.05,24.81)
  vias: v1(37.94,24.81) v1(39.34,24.81) v1(40.23,25.07) v1(47.29,53.01) v1(47.29,51.84) v1(48.53,53.01) v1(48.53,51.84)
VCCHTX_1V1: length 1.9
  TOP w0.381: R45.1 52.67,59.61 52.59,59.53 C58.1 51.32,59.53
VCCHTX_C: length 10.5
  TOP w0.356: U12.T10 v1(42.6,29.11) ; U12.T9 v1(41.8,29.11) ; U12.T12 v1(45,29.11) ; U12.T7 v1(40.2,29.11) ; U12.T8 v1(41,29.11) ; U12.T13 v1(45.8,29.11) ; U12.T11 v1(44.2,29.11) ; U12.T14 v1(46.6,29.11)
  BOTTOM w0.381: v1(45.8,29.11) 45.8,29.4 45.56,29.64 C200.2 ; v1(45.8,29.11) v1(46.6,29.11) ; v1(45.8,29.11) v1(45,29.11) v1(44.2,29.11) 44.04,28.95 C206.2 42.76,28.95 v1(42.6,29.11) v1(41.8,29.11)
  vias: v1(41.24,24.94) v1(42.26,24.81) v1(43.78,24.81)
12MHZ_OSCI: length 10.8
  TOP w0.14: U3.2 84.95,80.45 85.18,80.21 85.18,76.88 85.87,76.2 C31.1 87.63,76.2 88.19,76.75 89.43,76.75 90.43,75.76 Y1.1
12MHZ_OSCI1: length 10.5
  TOP w0.14: Y3.1 84.59,8.16 84.45,8.3 82.26,8.3 81.83,7.87 C93.1 79.9,7.87 78.71,9.06 78.71,10.59 78.3,10.99 U15.2
12MHZ_OSCO: length 8.5
  TOP w0.14: U3.3 84.95,80.95 85.69,80.2 85.69,77.39 85.9,77.18 C29.1 87.72,77.18 87.85,77.31 87.85,77.73 87.97,77.85 Y1.3
12MHZ_OSCO1: length 7.6
  TOP w0.14: Y3.3 82.44,8.86 C91.1 79.8,8.86 79.09,9.57 79.09,10.84 78.44,11.49 U15.3
